# KiCad board panel.kicad_pcb
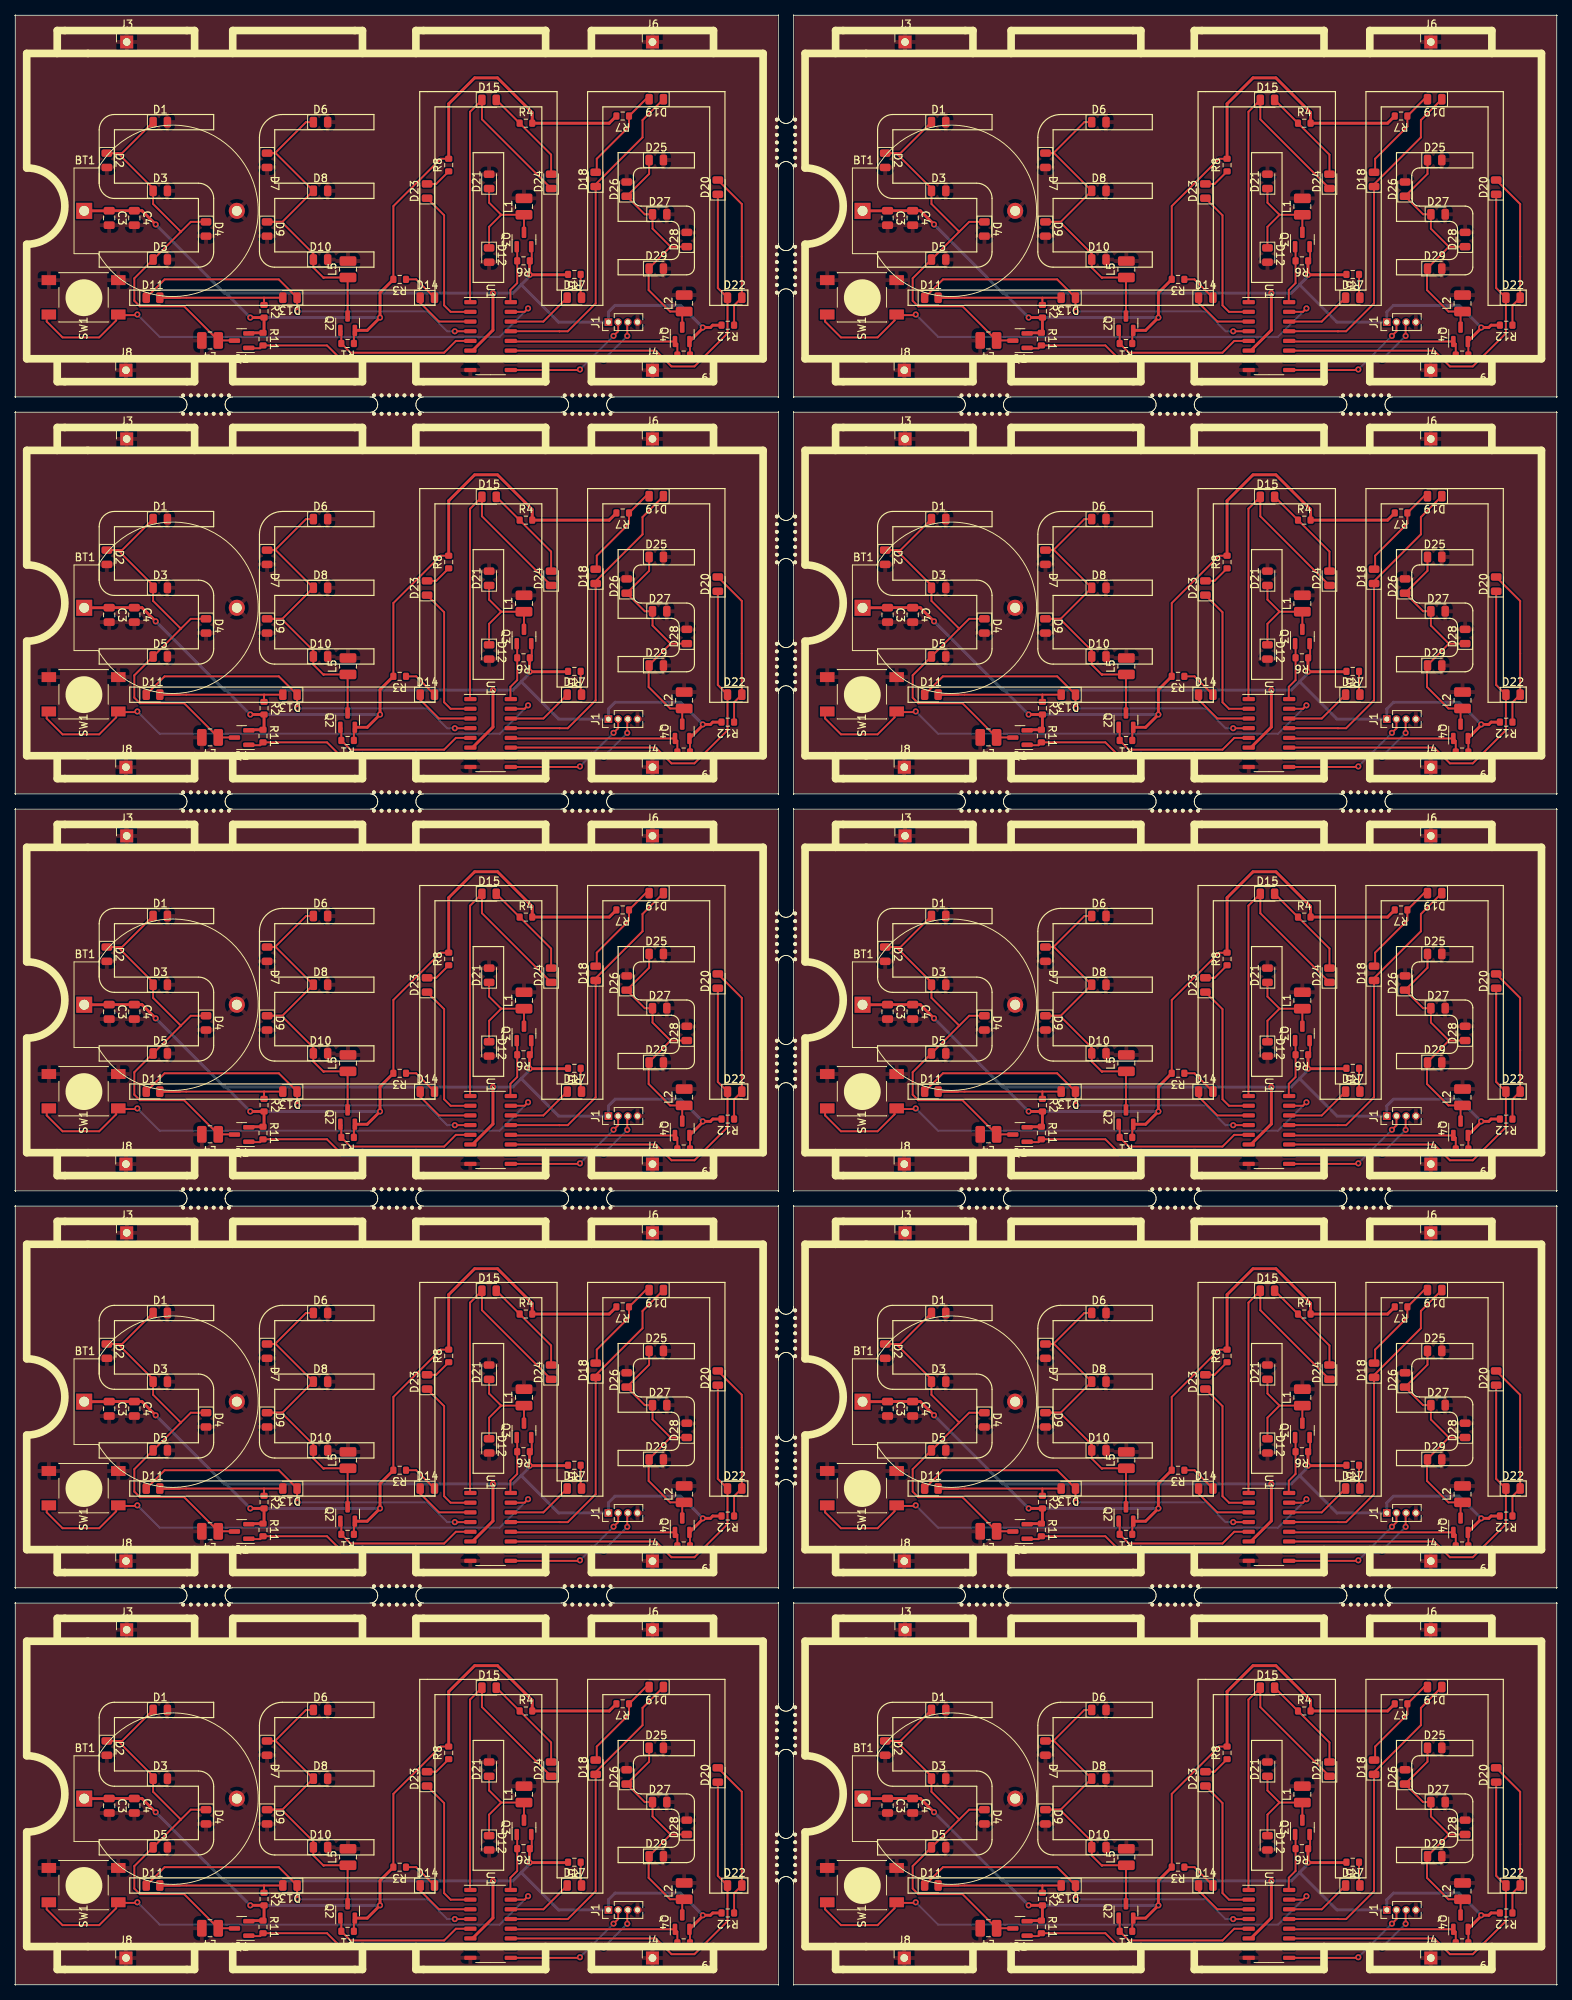
[diagram p0: board, top side]
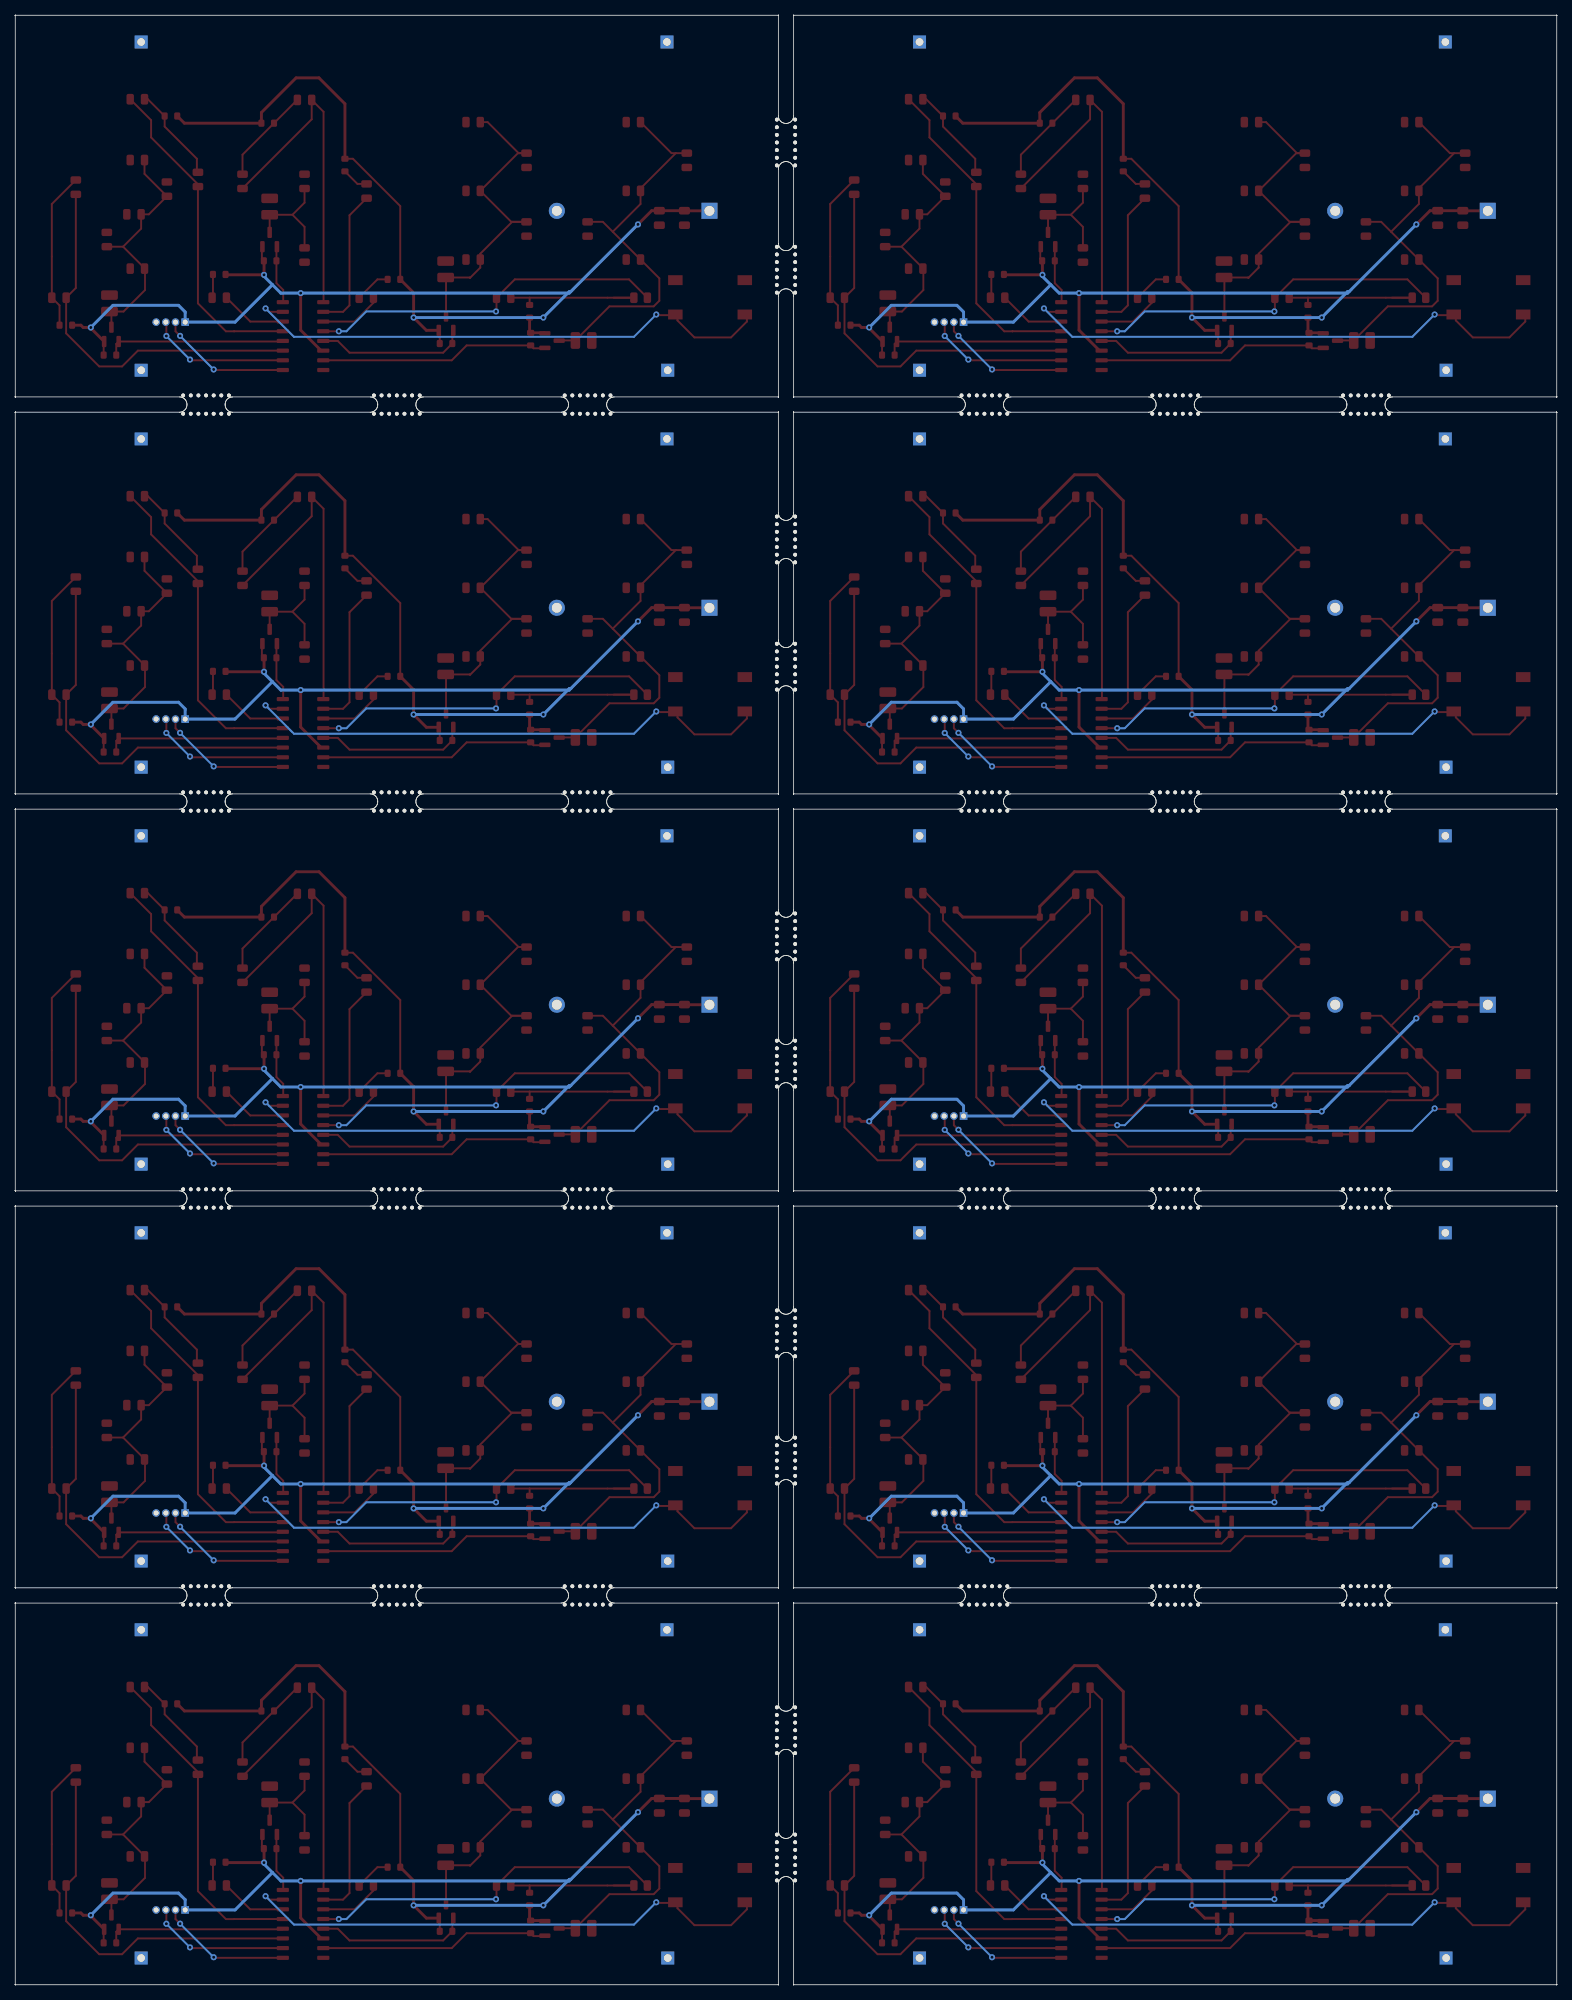
[diagram p1: board, bottom side, seen from below]

Outline 202 x 258 mm; copper layers: Top, Bottom. Coordinates in mm from the lower left corner of the outline.
Stack: Top 0.035mm / dielectric 1.51mm FR4 er 4.5 / Bottom 0.035mm

## Placement (name value [footprint] x y rotation side)
BT1  Battery  [CR2032_Holder]  9.03 232.38 0 top
BT1#2  Battery  [CR2032_Holder]  111.03 232.38 0 top
BT1#3  Battery  [CR2032_Holder]  9.03 180.38 0 top
BT1#4  Battery  [CR2032_Holder]  111.03 180.38 0 top
BT1#5  Battery  [CR2032_Holder]  9.03 128.38 0 top
BT1#6  Battery  [CR2032_Holder]  111.03 128.38 0 top
BT1#7  Battery  [CR2032_Holder]  9.03 76.38 0 top
BT1#8  Battery  [CR2032_Holder]  111.03 76.38 0 top
BT1#9  Battery  [CR2032_Holder]  9.03 24.38 0 top
BT1#10  Battery  [CR2032_Holder]  111.03 24.38 0 top
C3  C  [C_0805_2012Metric]  12.31 231.45 270 top
C3#2  C  [C_0805_2012Metric]  114.31 231.45 270 top
C3#3  C  [C_0805_2012Metric]  12.31 179.45 270 top
C3#4  C  [C_0805_2012Metric]  114.31 179.45 270 top
C3#5  C  [C_0805_2012Metric]  12.31 127.45 270 top
C3#6  C  [C_0805_2012Metric]  114.31 127.45 270 top
C3#7  C  [C_0805_2012Metric]  12.31 75.45 270 top
C3#8  C  [C_0805_2012Metric]  114.31 75.45 270 top
C3#9  C  [C_0805_2012Metric]  12.31 23.45 270 top
C3#10  C  [C_0805_2012Metric]  114.31 23.45 270 top
C4  C  [C_0805_2012Metric]  15.6 231.45 270 top
C4#2  C  [C_0805_2012Metric]  117.6 231.45 270 top
C4#3  C  [C_0805_2012Metric]  15.6 179.45 270 top
C4#4  C  [C_0805_2012Metric]  117.6 179.45 270 top
C4#5  C  [C_0805_2012Metric]  15.6 127.45 270 top
C4#6  C  [C_0805_2012Metric]  117.6 127.45 270 top
C4#7  C  [C_0805_2012Metric]  15.6 75.45 270 top
C4#8  C  [C_0805_2012Metric]  117.6 75.45 270 top
C4#9  C  [C_0805_2012Metric]  15.6 23.45 270 top
C4#10  C  [C_0805_2012Metric]  117.6 23.45 270 top
D1  LED  [LED_0805_2012Metric]  19 244 0 top
D1#2  LED  [LED_0805_2012Metric]  121 244 0 top
D1#3  LED  [LED_0805_2012Metric]  19 192 0 top
D1#4  LED  [LED_0805_2012Metric]  121 192 0 top
D1#5  LED  [LED_0805_2012Metric]  19 140 0 top
D1#6  LED  [LED_0805_2012Metric]  121 140 0 top
D1#7  LED  [LED_0805_2012Metric]  19 88 0 top
D1#8  LED  [LED_0805_2012Metric]  121 88 0 top
D1#9  LED  [LED_0805_2012Metric]  19 36 0 top
D1#10  LED  [LED_0805_2012Metric]  121 36 0 top
D2  LED  [LED_0805_2012Metric]  12 239 270 top
D2#2  LED  [LED_0805_2012Metric]  114 239 270 top
D2#3  LED  [LED_0805_2012Metric]  12 187 270 top
D2#4  LED  [LED_0805_2012Metric]  114 187 270 top
D2#5  LED  [LED_0805_2012Metric]  12 135 270 top
D2#6  LED  [LED_0805_2012Metric]  114 135 270 top
D2#7  LED  [LED_0805_2012Metric]  12 83 270 top
D2#8  LED  [LED_0805_2012Metric]  114 83 270 top
D2#9  LED  [LED_0805_2012Metric]  12 31 270 top
D2#10  LED  [LED_0805_2012Metric]  114 31 270 top
D3  LED  [LED_0805_2012Metric]  121 183 0 top
D3#2  LED  [LED_0805_2012Metric]  19 131 0 top
D3#3  LED  [LED_0805_2012Metric]  121 131 0 top
D3#4  LED  [LED_0805_2012Metric]  19 79 0 top
D3#5  LED  [LED_0805_2012Metric]  121 79 0 top
D3#6  LED  [LED_0805_2012Metric]  19 27 0 top
D3#7  LED  [LED_0805_2012Metric]  121 27 0 top
D3#8  LED  [LED_0805_2012Metric]  19 235 0 top
D3#9  LED  [LED_0805_2012Metric]  121 235 0 top
D3#10  LED  [LED_0805_2012Metric]  19 183 0 top
D4  LED  [LED_0805_2012Metric]  25 230 270 top
D4#2  LED  [LED_0805_2012Metric]  127 230 270 top
D4#3  LED  [LED_0805_2012Metric]  25 178 270 top
D4#4  LED  [LED_0805_2012Metric]  127 178 270 top
D4#5  LED  [LED_0805_2012Metric]  25 126 270 top
D4#6  LED  [LED_0805_2012Metric]  127 126 270 top
D4#7  LED  [LED_0805_2012Metric]  25 74 270 top
D4#8  LED  [LED_0805_2012Metric]  127 74 270 top
D4#9  LED  [LED_0805_2012Metric]  25 22 270 top
D4#10  LED  [LED_0805_2012Metric]  127 22 270 top
D5  LED  [LED_0805_2012Metric]  19 226 0 top
D5#2  LED  [LED_0805_2012Metric]  121 226 0 top
D5#3  LED  [LED_0805_2012Metric]  19 174 0 top
D5#4  LED  [LED_0805_2012Metric]  121 174 0 top
D5#5  LED  [LED_0805_2012Metric]  19 122 0 top
D5#6  LED  [LED_0805_2012Metric]  121 122 0 top
D5#7  LED  [LED_0805_2012Metric]  19 70 0 top
D5#8  LED  [LED_0805_2012Metric]  121 70 0 top
D5#9  LED  [LED_0805_2012Metric]  19 18 0 top
D5#10  LED  [LED_0805_2012Metric]  121 18 0 top
D6  LED  [LED_0805_2012Metric]  142 244 0 top
D6#2  LED  [LED_0805_2012Metric]  40 192 0 top
D6#3  LED  [LED_0805_2012Metric]  142 192 0 top
D6#4  LED  [LED_0805_2012Metric]  40 140 0 top
D6#5  LED  [LED_0805_2012Metric]  142 140 0 top
D6#6  LED  [LED_0805_2012Metric]  40 88 0 top
D6#7  LED  [LED_0805_2012Metric]  142 88 0 top
D6#8  LED  [LED_0805_2012Metric]  40 36 0 top
D6#9  LED  [LED_0805_2012Metric]  142 36 0 top
D6#10  LED  [LED_0805_2012Metric]  40 244 0 top
D7  LED  [LED_0805_2012Metric]  33 239 270 top
D7#2  LED  [LED_0805_2012Metric]  135 239 270 top
D7#3  LED  [LED_0805_2012Metric]  33 187 270 top
D7#4  LED  [LED_0805_2012Metric]  135 187 270 top
D7#5  LED  [LED_0805_2012Metric]  33 135 270 top
D7#6  LED  [LED_0805_2012Metric]  135 135 270 top
D7#7  LED  [LED_0805_2012Metric]  33 83 270 top
D7#8  LED  [LED_0805_2012Metric]  135 83 270 top
D7#9  LED  [LED_0805_2012Metric]  33 31 270 top
D7#10  LED  [LED_0805_2012Metric]  135 31 270 top
D8  LED  [LED_0805_2012Metric]  40 235 0 top
D8#2  LED  [LED_0805_2012Metric]  142 235 0 top
D8#3  LED  [LED_0805_2012Metric]  40 183 0 top
D8#4  LED  [LED_0805_2012Metric]  142 183 0 top
D8#5  LED  [LED_0805_2012Metric]  40 131 0 top
D8#6  LED  [LED_0805_2012Metric]  142 131 0 top
D8#7  LED  [LED_0805_2012Metric]  40 79 0 top
D8#8  LED  [LED_0805_2012Metric]  142 79 0 top
D8#9  LED  [LED_0805_2012Metric]  40 27 0 top
D8#10  LED  [LED_0805_2012Metric]  142 27 0 top
D9  LED  [LED_0805_2012Metric]  33 230 270 top
D9#2  LED  [LED_0805_2012Metric]  135 230 270 top
D9#3  LED  [LED_0805_2012Metric]  33 178 270 top
D9#4  LED  [LED_0805_2012Metric]  135 178 270 top
D9#5  LED  [LED_0805_2012Metric]  33 126 270 top
D9#6  LED  [LED_0805_2012Metric]  135 126 270 top
D9#7  LED  [LED_0805_2012Metric]  33 74 270 top
D9#8  LED  [LED_0805_2012Metric]  135 74 270 top
D9#9  LED  [LED_0805_2012Metric]  33 22 270 top
D9#10  LED  [LED_0805_2012Metric]  135 22 270 top
D10  LED  [LED_0805_2012Metric]  40 226 0 top
D10#2  LED  [LED_0805_2012Metric]  142 226 0 top
D10#3  LED  [LED_0805_2012Metric]  40 174 0 top
D10#4  LED  [LED_0805_2012Metric]  142 174 0 top
D10#5  LED  [LED_0805_2012Metric]  40 122 0 top
D10#6  LED  [LED_0805_2012Metric]  142 122 0 top
D10#7  LED  [LED_0805_2012Metric]  40 70 0 top
D10#8  LED  [LED_0805_2012Metric]  142 70 0 top
D10#9  LED  [LED_0805_2012Metric]  40 18 0 top
D10#10  LED  [LED_0805_2012Metric]  142 18 0 top
D11  LED  [LED_0805_2012Metric#2]  18 221 0 top
D11#2  LED  [LED_0805_2012Metric#2]  120 221 0 top
D11#3  LED  [LED_0805_2012Metric#2]  18 169 0 top
D11#4  LED  [LED_0805_2012Metric#2]  120 169 0 top
D11#5  LED  [LED_0805_2012Metric#2]  18 117 0 top
D11#6  LED  [LED_0805_2012Metric#2]  120 117 0 top
D11#7  LED  [LED_0805_2012Metric#2]  18 65 0 top
D11#8  LED  [LED_0805_2012Metric#2]  120 65 0 top
D11#9  LED  [LED_0805_2012Metric#2]  18 13 0 top
D11#10  LED  [LED_0805_2012Metric#2]  120 13 0 top
D12  LED  [LED_0805_2012Metric]  62.09 226.59 270 top
D12#2  LED  [LED_0805_2012Metric]  164.09 226.59 270 top
D12#3  LED  [LED_0805_2012Metric]  62.09 174.59 270 top
D12#4  LED  [LED_0805_2012Metric]  164.09 174.59 270 top
D12#5  LED  [LED_0805_2012Metric]  62.09 122.59 270 top
D12#6  LED  [LED_0805_2012Metric]  164.09 122.59 270 top
D12#7  LED  [LED_0805_2012Metric]  62.09 70.59 270 top
D12#8  LED  [LED_0805_2012Metric]  164.09 70.59 270 top
D12#9  LED  [LED_0805_2012Metric]  62.09 18.59 270 top
D12#10  LED  [LED_0805_2012Metric]  164.09 18.59 270 top
D13  LED  [LED_0805_2012Metric]  36 221 180 top
D13#2  LED  [LED_0805_2012Metric]  138 221 180 top
D13#3  LED  [LED_0805_2012Metric]  36 169 180 top
D13#4  LED  [LED_0805_2012Metric]  138 169 180 top
D13#5  LED  [LED_0805_2012Metric]  36 117 180 top
D13#6  LED  [LED_0805_2012Metric]  138 117 180 top
D13#7  LED  [LED_0805_2012Metric]  36 65 180 top
D13#8  LED  [LED_0805_2012Metric]  138 65 180 top
D13#9  LED  [LED_0805_2012Metric]  36 13 180 top
D13#10  LED  [LED_0805_2012Metric]  138 13 180 top
D14  LED  [LED_0805_2012Metric]  54 221 0 top
D14#2  LED  [LED_0805_2012Metric]  156 221 0 top
D14#3  LED  [LED_0805_2012Metric]  54 169 0 top
D14#4  LED  [LED_0805_2012Metric]  156 169 0 top
D14#5  LED  [LED_0805_2012Metric]  54 117 0 top
D14#6  LED  [LED_0805_2012Metric]  156 117 0 top
D14#7  LED  [LED_0805_2012Metric]  54 65 0 top
D14#8  LED  [LED_0805_2012Metric]  156 65 0 top
D14#9  LED  [LED_0805_2012Metric]  54 13 0 top
D14#10  LED  [LED_0805_2012Metric]  156 13 0 top
D15  LED  [LED_0805_2012Metric]  62.09 246.91 0 top
D15#2  LED  [LED_0805_2012Metric]  164.09 246.91 0 top
D15#3  LED  [LED_0805_2012Metric]  62.09 194.91 0 top
D15#4  LED  [LED_0805_2012Metric]  164.09 194.91 0 top
D15#5  LED  [LED_0805_2012Metric]  62.09 142.91 0 top
D15#6  LED  [LED_0805_2012Metric]  164.09 142.91 0 top
D15#7  LED  [LED_0805_2012Metric]  62.09 90.91 0 top
D15#8  LED  [LED_0805_2012Metric]  164.09 90.91 0 top
D15#9  LED  [LED_0805_2012Metric]  62.09 38.91 0 top
D15#10  LED  [LED_0805_2012Metric]  164.09 38.91 0 top
D17  LED  [LED_0805_2012Metric]  73.27 221 0 top
D17#2  LED  [LED_0805_2012Metric]  175.27 221 0 top
D17#3  LED  [LED_0805_2012Metric]  73.27 169 0 top
D17#4  LED  [LED_0805_2012Metric]  175.27 169 0 top
D17#5  LED  [LED_0805_2012Metric]  73.27 117 0 top
D17#6  LED  [LED_0805_2012Metric]  175.27 117 0 top
D17#7  LED  [LED_0805_2012Metric]  73.27 65 0 top
D17#8  LED  [LED_0805_2012Metric]  175.27 65 0 top
D17#9  LED  [LED_0805_2012Metric]  73.27 13 0 top
D17#10  LED  [LED_0805_2012Metric]  175.27 13 0 top
D18  LED  [LED_0805_2012Metric]  76.06 236.5 90 top
D18#2  LED  [LED_0805_2012Metric]  178.06 236.5 90 top
D18#3  LED  [LED_0805_2012Metric]  76.06 184.5 90 top
D18#4  LED  [LED_0805_2012Metric]  76.06 80.5 90 top
D18#5  LED  [LED_0805_2012Metric]  178.06 184.5 90 top
D18#6  LED  [LED_0805_2012Metric]  76.06 132.5 90 top
D18#7  LED  [LED_0805_2012Metric]  178.06 132.5 90 top
D18#8  LED  [LED_0805_2012Metric]  178.06 80.5 90 top
D18#9  LED  [LED_0805_2012Metric]  76.06 28.5 90 top
D18#10  LED  [LED_0805_2012Metric]  178.06 28.5 90 top
D19  LED  [LED_0805_2012Metric]  84 247 180 top
D19#2  LED  [LED_0805_2012Metric]  186 247 180 top
D19#3  LED  [LED_0805_2012Metric]  84 195 180 top
D19#4  LED  [LED_0805_2012Metric]  186 195 180 top
D19#5  LED  [LED_0805_2012Metric]  84 143 180 top
D19#6  LED  [LED_0805_2012Metric]  186 143 180 top
D19#7  LED  [LED_0805_2012Metric]  84 91 180 top
D19#8  LED  [LED_0805_2012Metric]  186 91 180 top
D19#9  LED  [LED_0805_2012Metric]  84 39 180 top
D19#10  LED  [LED_0805_2012Metric]  186 39 180 top
D20  LED  [LED_0805_2012Metric]  92.06 235.48 90 top
D20#2  LED  [LED_0805_2012Metric]  194.06 235.48 90 top
D20#3  LED  [LED_0805_2012Metric]  92.06 183.48 90 top
D20#4  LED  [LED_0805_2012Metric]  194.06 183.48 90 top
D20#5  LED  [LED_0805_2012Metric]  92.06 131.48 90 top
D20#6  LED  [LED_0805_2012Metric]  194.06 131.48 90 top
D20#7  LED  [LED_0805_2012Metric]  92.06 79.48 90 top
D20#8  LED  [LED_0805_2012Metric]  194.06 79.48 90 top
D20#9  LED  [LED_0805_2012Metric]  92.06 27.48 90 top
D20#10  LED  [LED_0805_2012Metric]  194.06 27.48 90 top
D21  LED  [LED_0805_2012Metric]  62.09 236.24 90 top
D21#2  LED  [LED_0805_2012Metric]  164.09 236.24 90 top
D21#3  LED  [LED_0805_2012Metric]  62.09 184.24 90 top
D21#4  LED  [LED_0805_2012Metric]  164.09 184.24 90 top
D21#5  LED  [LED_0805_2012Metric]  62.09 132.24 90 top
D21#6  LED  [LED_0805_2012Metric]  164.09 132.24 90 top
D21#7  LED  [LED_0805_2012Metric]  62.09 80.24 90 top
D21#8  LED  [LED_0805_2012Metric]  164.09 80.24 90 top
D21#9  LED  [LED_0805_2012Metric]  62.09 28.24 90 top
D21#10  LED  [LED_0805_2012Metric]  164.09 28.24 90 top
D22  LED  [LED_0805_2012Metric]  94.27 221 0 top
D22#2  LED  [LED_0805_2012Metric]  196.27 221 0 top
D22#3  LED  [LED_0805_2012Metric]  94.27 169 0 top
D22#4  LED  [LED_0805_2012Metric]  196.27 169 0 top
D22#5  LED  [LED_0805_2012Metric]  94.27 117 0 top
D22#6  LED  [LED_0805_2012Metric]  196.27 117 0 top
D22#7  LED  [LED_0805_2012Metric]  94.27 65 0 top
D22#8  LED  [LED_0805_2012Metric]  196.27 65 0 top
D22#9  LED  [LED_0805_2012Metric]  94.27 13 0 top
D22#10  LED  [LED_0805_2012Metric]  196.27 13 0 top
D23  LED  [LED_0805_2012Metric]  53.96 234.97 90 top
D23#2  LED  [LED_0805_2012Metric]  155.96 234.97 90 top
D23#3  LED  [LED_0805_2012Metric]  53.96 182.97 90 top
D23#4  LED  [LED_0805_2012Metric]  155.96 182.97 90 top
D23#5  LED  [LED_0805_2012Metric]  53.96 130.97 90 top
D23#6  LED  [LED_0805_2012Metric]  155.96 130.97 90 top
D23#7  LED  [LED_0805_2012Metric]  53.96 78.97 90 top
D23#8  LED  [LED_0805_2012Metric]  155.96 78.97 90 top
D23#9  LED  [LED_0805_2012Metric]  53.96 26.97 90 top
D23#10  LED  [LED_0805_2012Metric]  155.96 26.97 90 top
D24  LED  [LED_0805_2012Metric]  70.22 236.24 90 top
D24#2  LED  [LED_0805_2012Metric]  172.22 236.24 90 top
D24#3  LED  [LED_0805_2012Metric]  70.22 184.24 90 top
D24#4  LED  [LED_0805_2012Metric]  172.22 184.24 90 top
D24#5  LED  [LED_0805_2012Metric]  70.22 132.24 90 top
D24#6  LED  [LED_0805_2012Metric]  172.22 132.24 90 top
D24#7  LED  [LED_0805_2012Metric]  70.22 80.24 90 top
D24#8  LED  [LED_0805_2012Metric]  172.22 80.24 90 top
D24#9  LED  [LED_0805_2012Metric]  70.22 28.24 90 top
D24#10  LED  [LED_0805_2012Metric]  172.22 28.24 90 top
D25  LED  [LED_0805_2012Metric]  84 239.04 0 top
D25#2  LED  [LED_0805_2012Metric]  186 239.04 0 top
D25#3  LED  [LED_0805_2012Metric]  84 187.04 0 top
D25#4  LED  [LED_0805_2012Metric]  186 187.04 0 top
D25#5  LED  [LED_0805_2012Metric]  84 135.04 0 top
D25#6  LED  [LED_0805_2012Metric]  186 135.04 0 top
D25#7  LED  [LED_0805_2012Metric]  84 83.04 0 top
D25#8  LED  [LED_0805_2012Metric]  186 83.04 0 top
D25#9  LED  [LED_0805_2012Metric]  84 31.04 0 top
D25#10  LED  [LED_0805_2012Metric]  186 31.04 0 top
D26  LED  [LED_0805_2012Metric]  182.13 235.23 90 top
D26#2  LED  [LED_0805_2012Metric]  80.13 235.23 90 top
D26#3  LED  [LED_0805_2012Metric]  80.13 183.23 90 top
D26#4  LED  [LED_0805_2012Metric]  182.13 183.23 90 top
D26#5  LED  [LED_0805_2012Metric]  80.13 131.23 90 top
D26#6  LED  [LED_0805_2012Metric]  182.13 131.23 90 top
D26#7  LED  [LED_0805_2012Metric]  80.13 79.23 90 top
D26#8  LED  [LED_0805_2012Metric]  182.13 79.23 90 top
D26#9  LED  [LED_0805_2012Metric]  80.13 27.23 90 top
D26#10  LED  [LED_0805_2012Metric]  182.13 27.23 90 top
D27  LED  [LED_0805_2012Metric]  186.44 75.92 0 top
D27#2  LED  [LED_0805_2012Metric]  84.44 23.92 0 top
D27#3  LED  [LED_0805_2012Metric]  186.44 23.92 0 top
D27#4  LED  [LED_0805_2012Metric]  84.44 231.92 0 top
D27#5  LED  [LED_0805_2012Metric]  186.44 231.92 0 top
D27#6  LED  [LED_0805_2012Metric]  84.44 179.92 0 top
D27#7  LED  [LED_0805_2012Metric]  186.44 179.92 0 top
D27#8  LED  [LED_0805_2012Metric]  84.44 127.92 0 top
D27#9  LED  [LED_0805_2012Metric]  186.44 127.92 0 top
D27#10  LED  [LED_0805_2012Metric]  84.44 75.92 0 top
D28  LED  [LED_0805_2012Metric]  88 228.62 90 top
D28#2  LED  [LED_0805_2012Metric]  190 228.62 90 top
D28#3  LED  [LED_0805_2012Metric]  88 176.62 90 top
D28#4  LED  [LED_0805_2012Metric]  190 176.62 90 top
D28#5  LED  [LED_0805_2012Metric]  88 124.62 90 top
D28#6  LED  [LED_0805_2012Metric]  190 124.62 90 top
D28#7  LED  [LED_0805_2012Metric]  88 72.62 90 top
D28#8  LED  [LED_0805_2012Metric]  190 72.62 90 top
D28#9  LED  [LED_0805_2012Metric]  88 20.62 90 top
D28#10  LED  [LED_0805_2012Metric]  190 20.62 90 top
D29  LED  [LED_0805_2012Metric]  84 224.81 0 top
D29#2  LED  [LED_0805_2012Metric]  186 224.81 0 top
D29#3  LED  [LED_0805_2012Metric]  84 172.81 0 top
D29#4  LED  [LED_0805_2012Metric]  186 172.81 0 top
D29#5  LED  [LED_0805_2012Metric]  84 120.81 0 top
D29#6  LED  [LED_0805_2012Metric]  186 120.81 0 top
D29#7  LED  [LED_0805_2012Metric]  84 68.81 0 top
D29#8  LED  [LED_0805_2012Metric]  186 68.81 0 top
D29#9  LED  [LED_0805_2012Metric]  84 16.81 0 top
D29#10  LED  [LED_0805_2012Metric]  186 16.81 0 top
J1  Conn_01x04  [PinHeader_1x04_P1.27mm_Vertical]  77.73 217.8 90 top
J1#2  Conn_01x04  [PinHeader_1x04_P1.27mm_Vertical]  179.73 217.8 90 top
J1#3  Conn_01x04  [PinHeader_1x04_P1.27mm_Vertical]  77.73 165.8 90 top
J1#4  Conn_01x04  [PinHeader_1x04_P1.27mm_Vertical]  179.73 165.8 90 top
J1#5  Conn_01x04  [PinHeader_1x04_P1.27mm_Vertical]  77.73 113.8 90 top
J1#6  Conn_01x04  [PinHeader_1x04_P1.27mm_Vertical]  179.73 113.8 90 top
J1#7  Conn_01x04  [PinHeader_1x04_P1.27mm_Vertical]  77.73 61.8 90 top
J1#8  Conn_01x04  [PinHeader_1x04_P1.27mm_Vertical]  179.73 61.8 90 top
J1#9  Conn_01x04  [PinHeader_1x04_P1.27mm_Vertical]  77.73 9.8 90 top
J1#10  Conn_01x04  [PinHeader_1x04_P1.27mm_Vertical]  179.73 9.8 90 top
J3  Conn_01x01_Male  [PinHeader_1x01_P2.54mm_Vertical]  14.6 150.5 0 top
J3#2  Conn_01x01_Male  [PinHeader_1x01_P2.54mm_Vertical]  116.6 150.5 0 top
J3#3  Conn_01x01_Male  [PinHeader_1x01_P2.54mm_Vertical]  14.6 98.5 0 top
J3#4  Conn_01x01_Male  [PinHeader_1x01_P2.54mm_Vertical]  116.6 98.5 0 top
J3#5  Conn_01x01_Male  [PinHeader_1x01_P2.54mm_Vertical]  14.6 46.5 0 top
J3#6  Conn_01x01_Male  [PinHeader_1x01_P2.54mm_Vertical]  116.6 46.5 0 top
J3#7  Conn_01x01_Male  [PinHeader_1x01_P2.54mm_Vertical]  14.6 254.5 0 top
J3#8  Conn_01x01_Male  [PinHeader_1x01_P2.54mm_Vertical]  116.6 254.5 0 top
J3#9  Conn_01x01_Male  [PinHeader_1x01_P2.54mm_Vertical]  14.6 202.5 0 top
J3#10  Conn_01x01_Male  [PinHeader_1x01_P2.54mm_Vertical]  116.6 202.5 0 top
J4  Conn_01x01_Male  [PinHeader_1x01_P2.54mm_Vertical]  83.5 211.5 0 top
J4#2  Conn_01x01_Male  [PinHeader_1x01_P2.54mm_Vertical]  185.5 211.5 0 top
J4#3  Conn_01x01_Male  [PinHeader_1x01_P2.54mm_Vertical]  83.5 159.5 0 top
J4#4  Conn_01x01_Male  [PinHeader_1x01_P2.54mm_Vertical]  185.5 159.5 0 top
J4#5  Conn_01x01_Male  [PinHeader_1x01_P2.54mm_Vertical]  83.5 107.5 0 top
J4#6  Conn_01x01_Male  [PinHeader_1x01_P2.54mm_Vertical]  185.5 107.5 0 top
J4#7  Conn_01x01_Male  [PinHeader_1x01_P2.54mm_Vertical]  83.5 55.5 0 top
J4#8  Conn_01x01_Male  [PinHeader_1x01_P2.54mm_Vertical]  185.5 55.5 0 top
J4#9  Conn_01x01_Male  [PinHeader_1x01_P2.54mm_Vertical]  83.5 3.5 0 top
J4#10  Conn_01x01_Male  [PinHeader_1x01_P2.54mm_Vertical]  185.5 3.5 0 top
J6  Conn_01x01_Male  [PinHeader_1x01_P2.54mm_Vertical]  83.5 254.5 0 top
J6#2  Conn_01x01_Male  [PinHeader_1x01_P2.54mm_Vertical]  185.5 254.5 0 top
J6#3  Conn_01x01_Male  [PinHeader_1x01_P2.54mm_Vertical]  83.5 202.5 0 top
J6#4  Conn_01x01_Male  [PinHeader_1x01_P2.54mm_Vertical]  185.5 202.5 0 top
J6#5  Conn_01x01_Male  [PinHeader_1x01_P2.54mm_Vertical]  83.5 150.5 0 top
J6#6  Conn_01x01_Male  [PinHeader_1x01_P2.54mm_Vertical]  185.5 150.5 0 top
J6#7  Conn_01x01_Male  [PinHeader_1x01_P2.54mm_Vertical]  83.5 98.5 0 top
J6#8  Conn_01x01_Male  [PinHeader_1x01_P2.54mm_Vertical]  185.5 98.5 0 top
J6#9  Conn_01x01_Male  [PinHeader_1x01_P2.54mm_Vertical]  83.5 46.5 0 top